# Altium PCB P1.1-worcv.PcbDoc (part 1 of 2)
Units mm, origin at the board's own origin, x right, y up, seen from the top; angles counter-clockwise.
Board outline 81 x 100 mm, 2 copper layers (Top Layer, Bottom Layer); 231 components, 118 nets, 665 pads, 762 vias.
Unrouted connection lines stored in the file: 9.
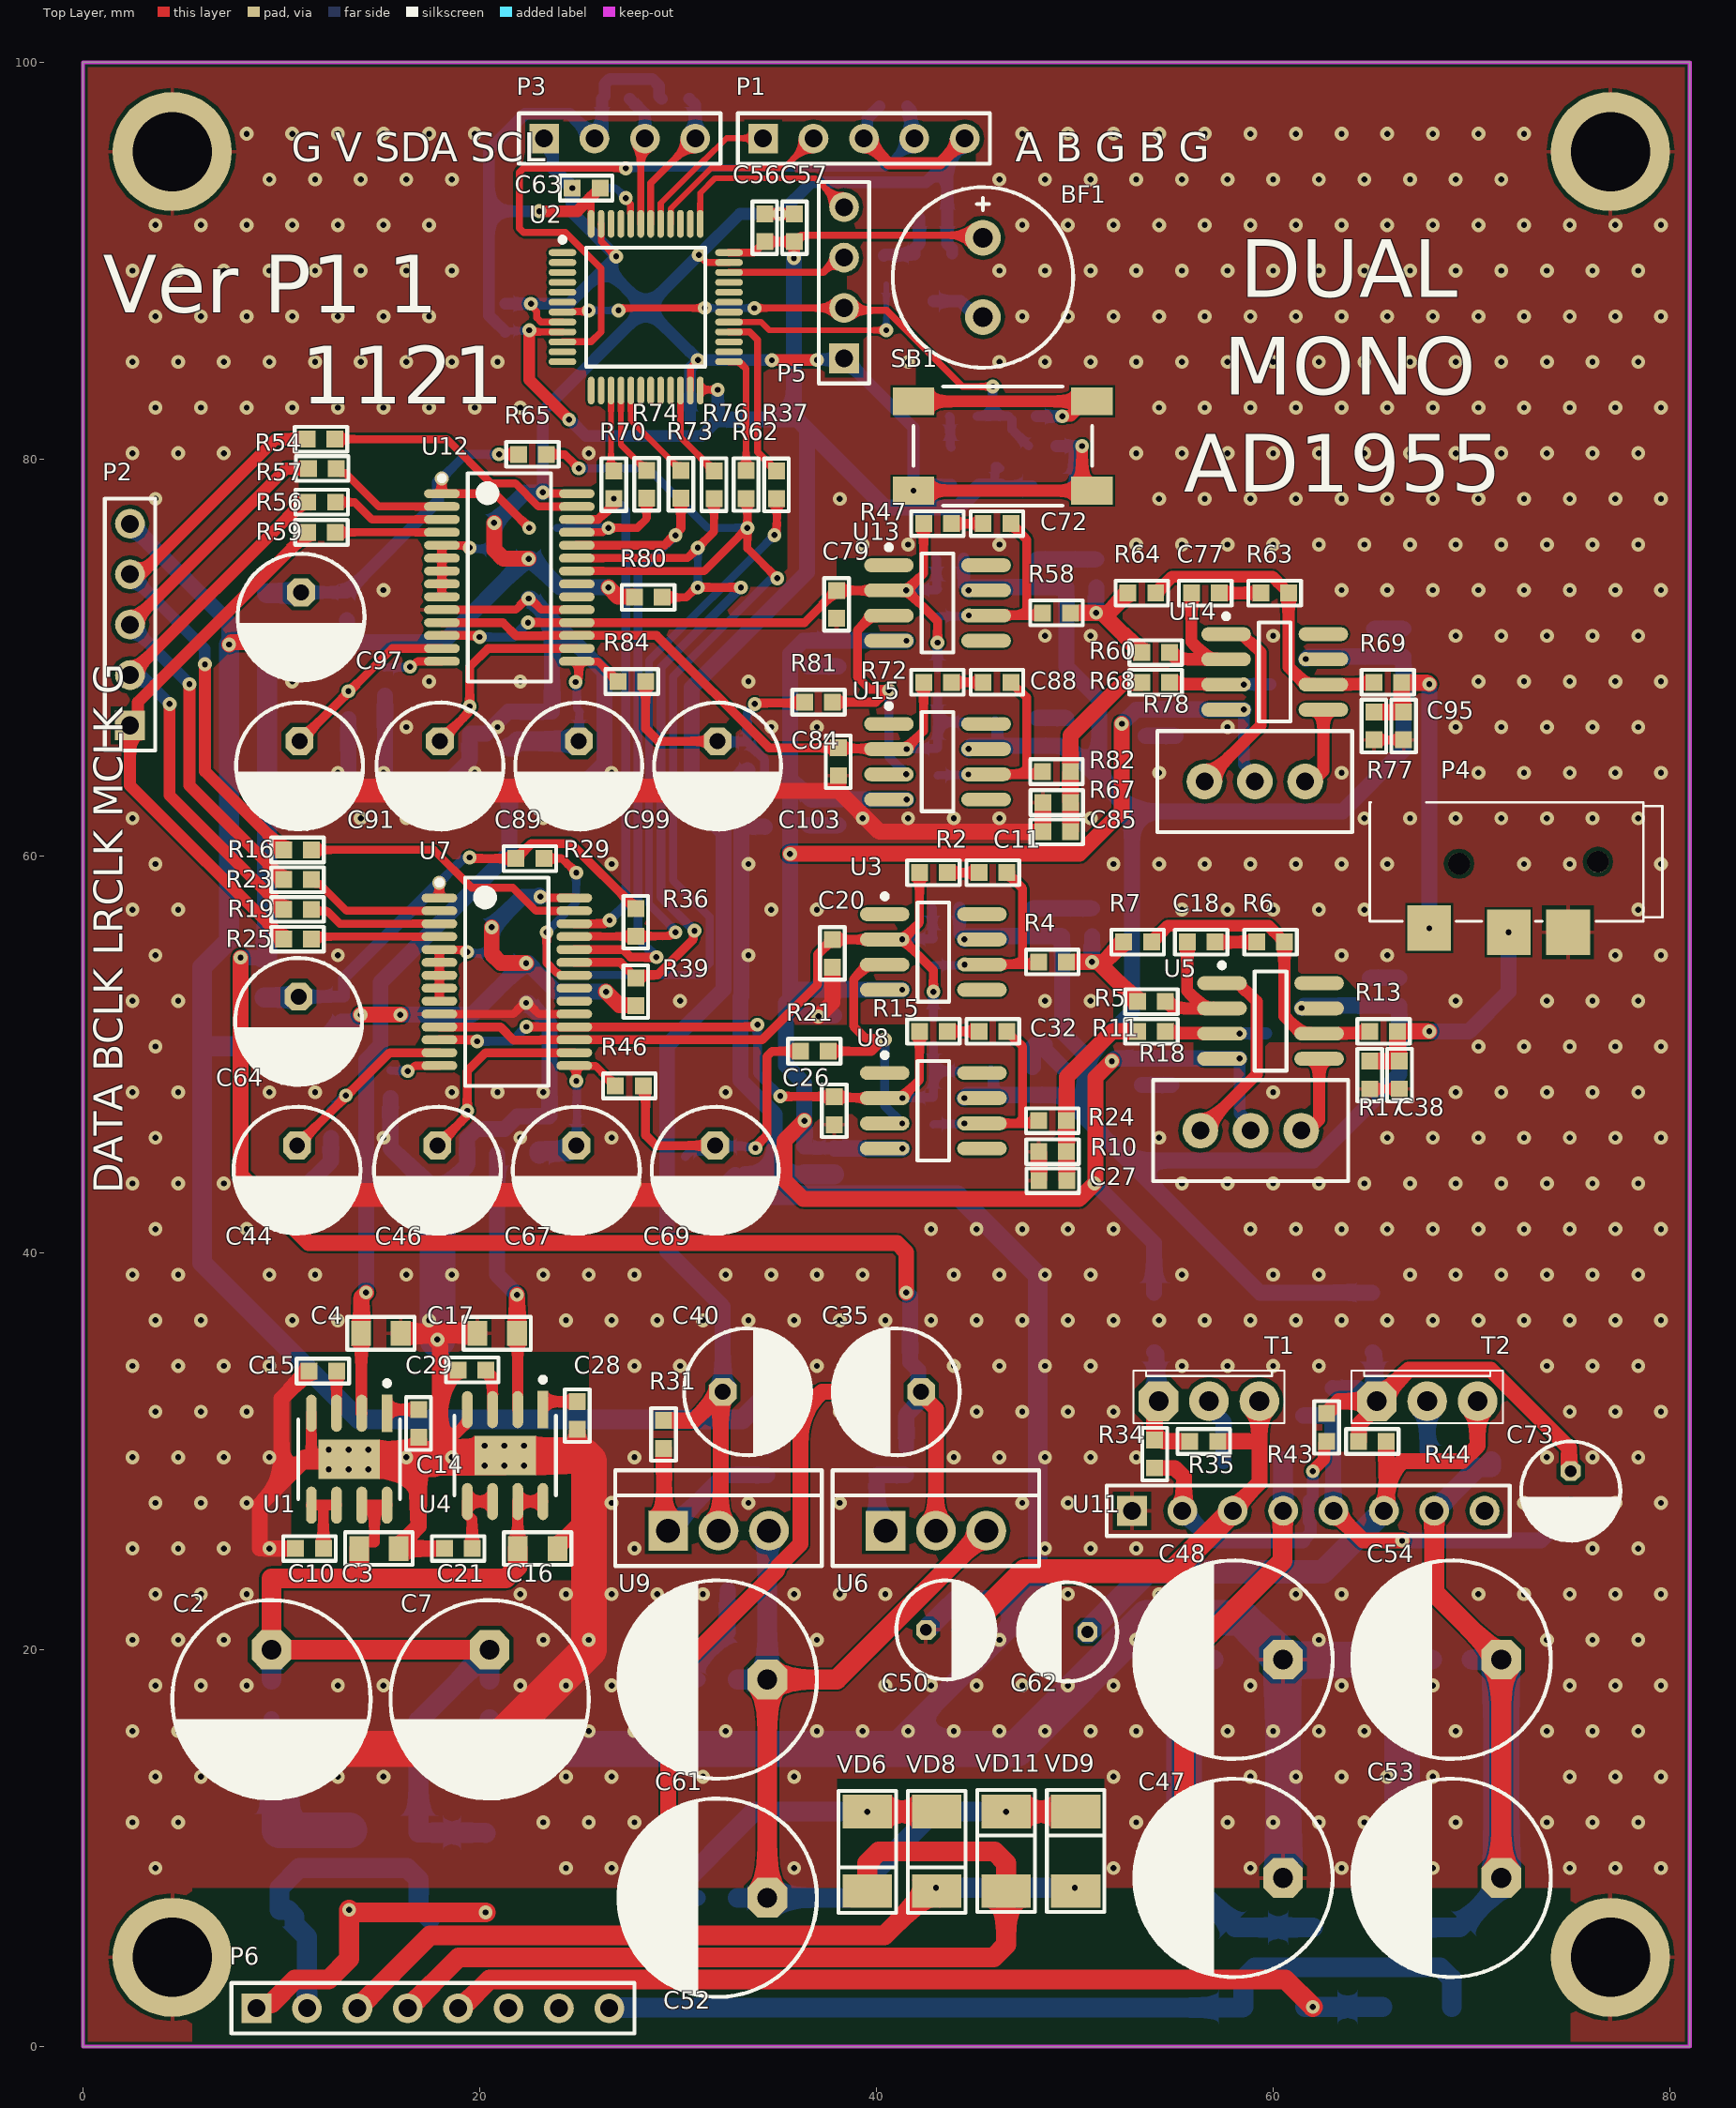
[diagram p0: Top Layer view]
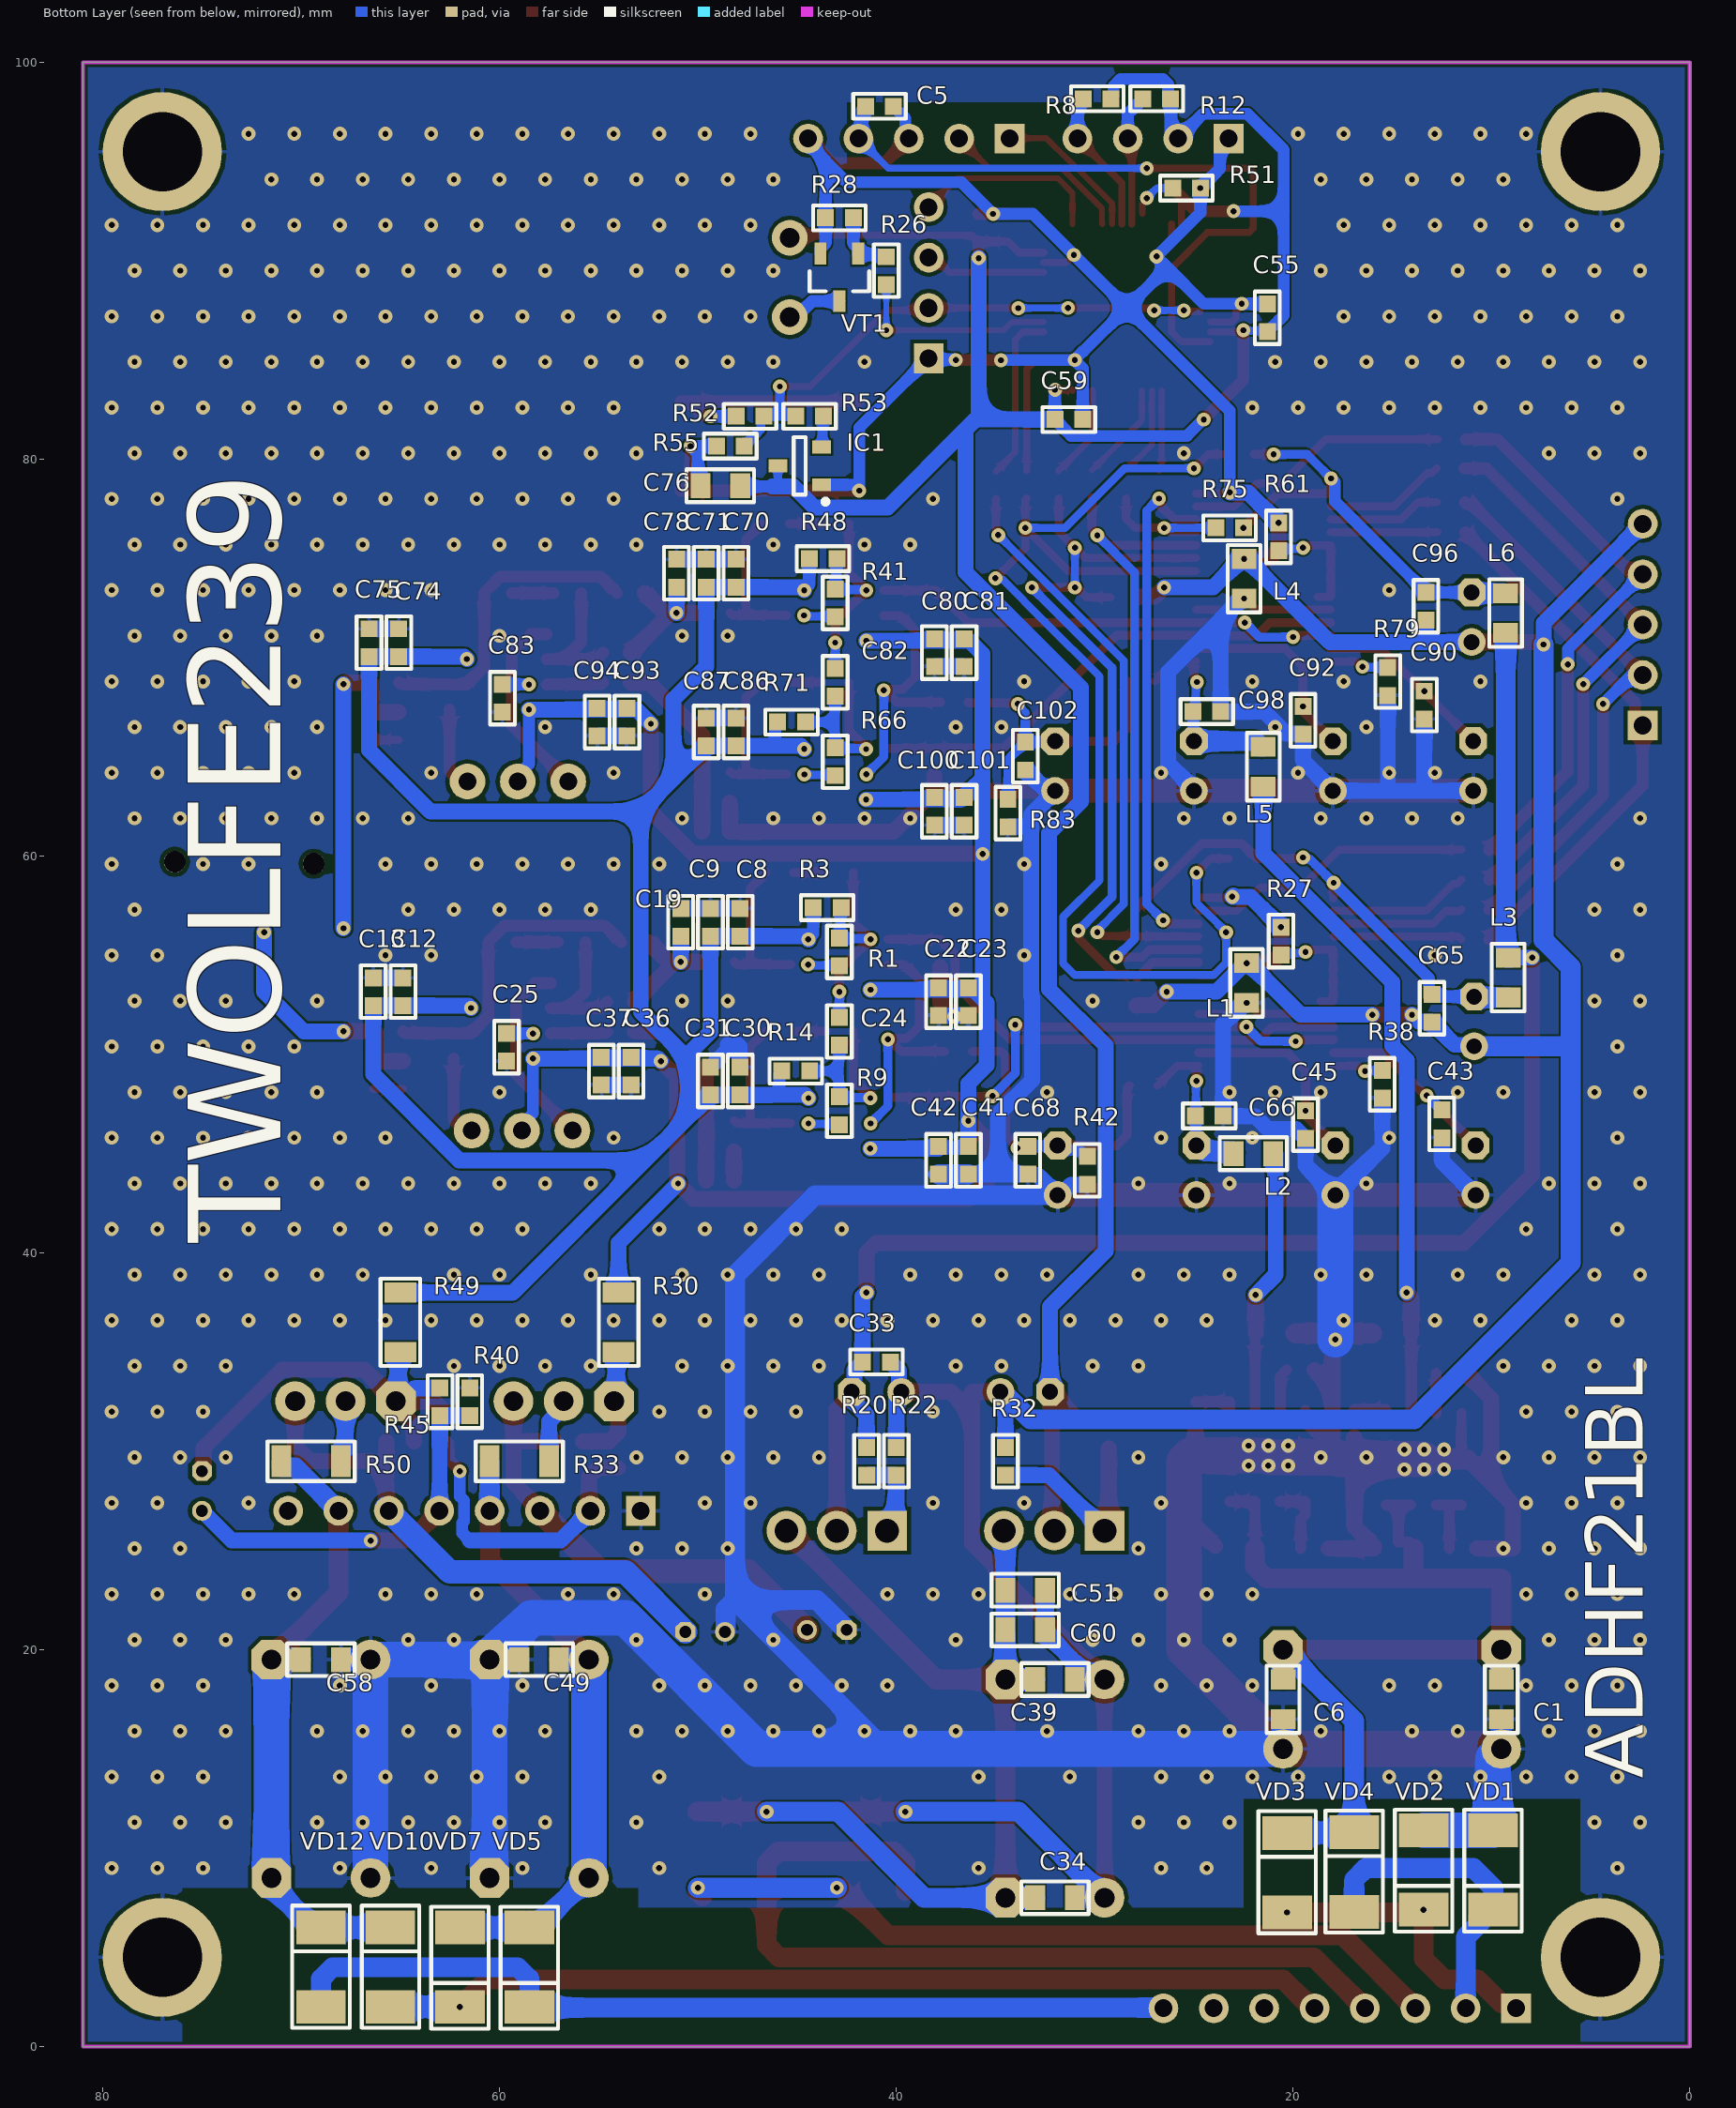
[diagram p1: Bottom Layer view, seen from below]
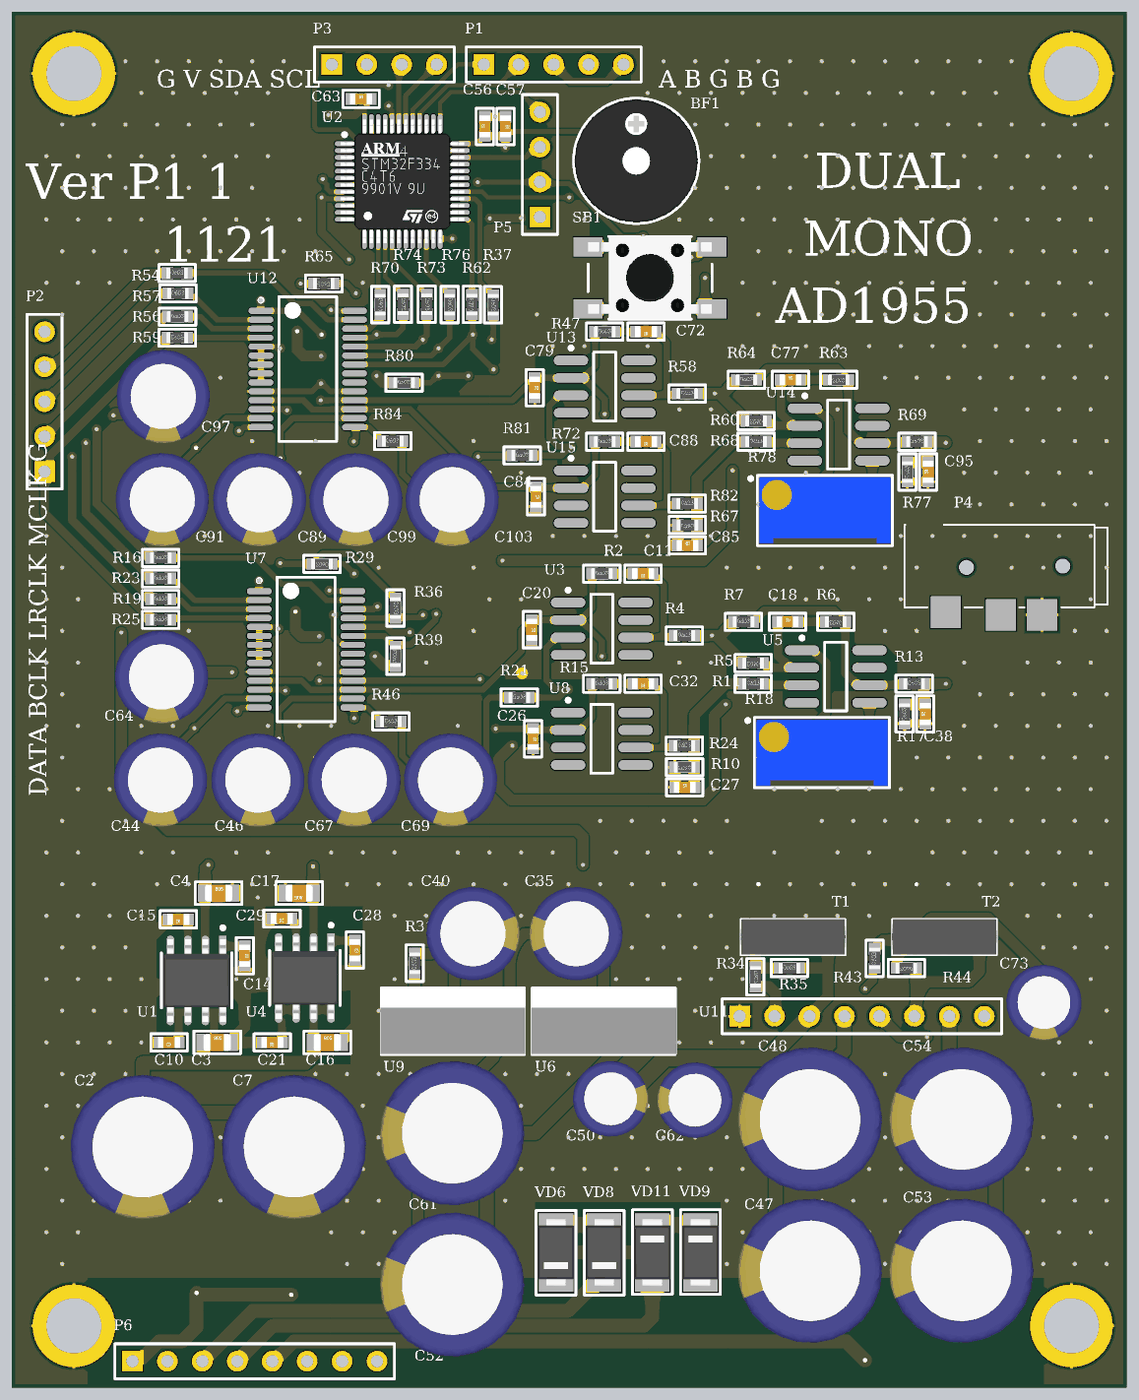
[diagram p3: 3D render of the assembled board from above, using the file's embedded part models]
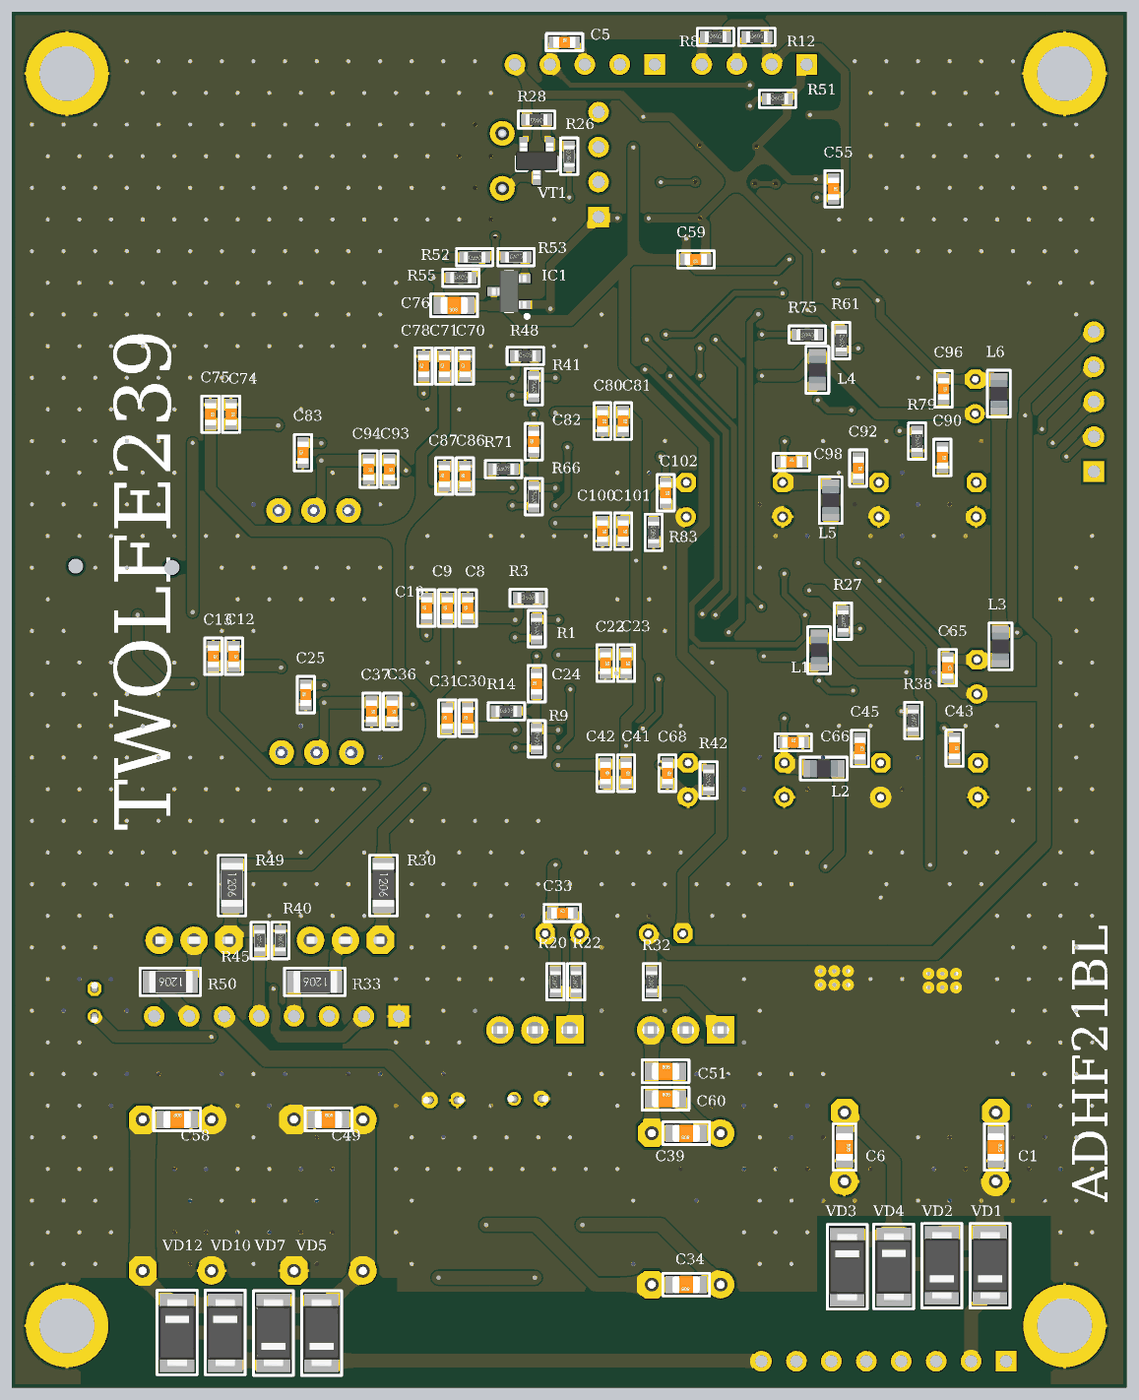
[diagram p4: 3D render of the assembled board from below, using the file's embedded part models]

## Layer stack, top to bottom
Top Solder: solder mask 0.0102, Solder Resist, Dk 3.5
Top Layer: signal copper 0.035
Dielectric 1: dielectric 0.32, FR-4, Dk 4.8
Bottom Layer: signal copper 0.035
Bottom Solder: solder mask 0.0102, Solder Resist, Dk 3.5

## Board outline
0,0 0,100 81,100 81,69.2 81,0

## Design rules (kind name [scope] priority, off if disabled: settings)
BoardOutlineClearance [All] p1: gap=0.25 ignorepadtopadclearanceinfootprint=FALSE
Clearance Clearance_MultiLayerPad [OnLayer('Multi-Layer') and IsPad] p1: gap=0.2 ignorepadtopadclearanceinfootprint=FALSE except(0: Arc-Hole Track-Hole SMDPad-Hole THPad-Hole Via-Hole Fill-Hole Poly-Hole Region-Hole Text-Hole)
Clearance Clearance_Polygon [InPolygon] p2: gap=0.1 ignorepadtopadclearanceinfootprint=FALSE except(0: Arc-Hole Track-Hole SMDPad-Hole THPad-Hole Via-Hole Fill-Hole Poly-Hole Region-Hole Text-Hole)
Clearance [All] p3: gap=0.1 ignorepadtopadclearanceinfootprint=FALSE except(0: Arc-Hole Track-Hole SMDPad-Hole THPad-Hole Via-Hole Fill-Hole Poly-Hole Region-Hole Text-Hole)
ComponentClearance [All] p1: gap=0.2 collisioncheckmode=3 verticalgap=0.2 showdistances=FALSE
DiffPairsRouting [All] p1: maxlimit=0.5 minlimit=0.1 mostfreqgap=0.15 toplayer_minwidth=0.1 toplayer_maxwidth=0.5 toplayer_prefwidth=0.15 bottomlayer_minwidth=0.1 bottomlayer_maxwidth=0.5 bottomlayer_prefwidth=0.15 maxuncoupledlength=12.7
Height [All] p1: minheight=0 maxheight=50 prefheight=12.7
HoleSize [All] p1: absolutevalues=TRUE maxlimit=10 minlimit=0.3 maxpercent=80.000 minpercent=20.000
HoleToHoleClearance [All] p1: gap=0.3 allowstackedmicrovias=TRUE
MinimumSolderMaskSliver [All] p1: minsoldermaskwidth=0.05
PlaneClearance [All] p1: clearance=0.5
PlaneConnect [All] p1: planeconnectstyle=Relief reliefexpansion=0.5 reliefentries=4 reliefconductorwidth=0.2 reliefairgap=0.2
PolygonConnect PolygonConnect_PadGND [InNet('GND') and IsPad] p1: connectstyle=Relief reliefconductorwidth=0.2 reliefentries=4 polygonreliefangle="90 Angle" airgapwidth=0.2
PolygonConnect PolygonConnect_Via [IsVia] p2: connectstyle=Direct reliefconductorwidth=0.254 reliefentries=4 polygonreliefangle="90 Angle" airgapwidth=0.254
PolygonConnect [All] p3: connectstyle=Relief reliefconductorwidth=0.2 reliefentries=4 polygonreliefangle="90 Angle" airgapwidth=0.2
RoutingVias [All] p1: holewidth=0.2 width=0.4 viastyle="Through Hole" minholewidth=0.2 minwidth=0.4 maxholewidth=0.5 maxwidth=1.2
SilkToSolderMaskClearance [IsPad] p1: minsilkscreentomaskgap=0.05 clearancetoexposedcopper=TRUE
SolderMaskExpansion [All] p1: expansion=0.075 istentingtop=FALSE
Width [All] p1: maxlimit=10 minlimit=0.1 preferedwidth=0.1
21 further rules are at their usual default settings.

## Classes and differential pairs
component class P1.1-worcv: BF1 C1 C2 C3 C4 C5 C6 C7 C8 C9 C10 C11 C12 C13 C14 C15 C16 C17 C18 C19 C20 C21 C22 C23 C24 C25 C26 C27 C28 C29 C30 C31 C32 C33 C34 C35 C36 C37 C38 C39 C40 C41 C42 C43 C44 C45 C46 C47 C48 C49 C50 C51 C52 C53 C54 C55 C56 C57 C58 C59 C60 C61 C62 C63 C64 C65 C66 C67 C68 C69 C70 C71 C72 C73 C74 C75 C76 C77 C78 C79 C80 C81 C82 C83 C84 C85 C86 C87 C88 C89 C90 C91 C92 C93 C94 C95 C96 C97 C98 C99 C100 C101 IC1 L1 L2 L3 L4 L5 L6 P1 P1.1-worcv P2 P3 P4 P5 P6 R1 R2 R3 R4 R5 R6 R7 R8 R9 R10 R11 R12 R13 R14 R15 R16 R17 R18 R19 R20 R21 R22 R23 R24 R25 R26 R27 R28 R29 R31 R33 R35 R37 R38 R39 R41 R42 R43 R44 R45 R46 R47 R50 R51 R52 R53 R54 R55 R56 R57 R58 R59 R62 R63 R66 R67 R68 R69 R71 R74 R75 R77 R78 R81 R82 R84 SB1 T1 T2 U1 U2 U3 U4 U5 U6 U7 U8 U9 U11 U12 U13 U14 U15 VD1 VD2 VD3 VD4 VD5 VD6 VD7 VD8 VD9 VD10 VD11 VD12 VT1

## Components (designator, comment, footprint, x,y, rotation, side; value= is the part's Value field where it differs from the comment)
BF1 "DIP switch, 2.73 kHz, 3VDC, 80mA, -20...+70°C" "BUZ: AT-0927-TT-6-R" 45.369,89.163 r90 top
C1 "Ceramic capacitor, 0.1u, X7R, ±10%, 16V, 0201, -55...+125°C" "CAP: 0805" 9.5,17.5 r270 bottom value=0.1u
C2 "Aluminium capacitor, 1000μF, 35V, ±20%, 54mOhm, 14x10x5 mm, -55...+105°C" "CAP: D10C5H20" 9.5,17.5 r270 top value=1000μF
C3 "Ceramic capacitor, 10μF, X7R, ±10%, 16V, 0201, -55...+125°C" "CAP: 0805" 14.918,25.102 r0 top value=10μF
C4 "Ceramic capacitor, 10μF, X7R, ±10%, 16V, 0201, -55...+125°C" "CAP: 0805" 15.018,35.945 r0 top value=10μF
C5 "Ceramic capacitor, 0.1u, X7R, ±10%, 16V, 0201, -55...+125°C" "CAP: 0603" 40.847,97.785 r180 bottom value=0.1u
C6 "Ceramic capacitor, 0.1u, X7R, ±10%, 16V, 0201, -55...+125°C" "CAP: 0805" 20.5,17.5 r270 bottom value=0.1u
C7 "Aluminium capacitor, 1000μF, 35V, ±20%, 54mOhm, 14x10x5 mm, -55...+105°C" "CAP: D10C5H20" 20.5,17.5 r270 top value=1000μF
C8 "Ceramic capacitor, 4.7u, X7R, ±10%, 16V, 0201, -55...+125°C" "CAP: 0603" 47.869,56.663 r90 bottom value=4.7u
C9 "Ceramic capacitor, 0.1u, X7R, ±10%, 16V, 0201, -55...+125°C" "CAP: 0603" 49.369,56.663 r90 bottom value=0.1u
C10 "Ceramic capacitor, 1u, X7R, ±10%, 16V, 0201, -55...+125°C" "CAP: 0603" 11.418,25.102 r180 top value=1u
C11 "Ceramic capacitor, 100p, X7R, ±10%, 16V, 0201, -55...+125°C" "CAP: 0603" 45.869,59.163 r180 top value=100p
C12 "Ceramic capacitor, 4.7u, X7R, ±10%, 16V, 0201, -55...+125°C" "CAP: 0603" 64.869,53.163 r270 bottom value=4.7u
C13 "Ceramic capacitor, 0.1u, X7R, ±10%, 16V, 0201, -55...+125°C" "CAP: 0603" 66.369,53.163 r270 bottom value=0.1u
C14 "Ceramic capacitor, 10u, X7R, ±10%, 16V, 0201, -55...+125°C" "CAP: 0603" 16.918,31.402 r270 top value=10u
C15 "Ceramic capacitor, 1u, X7R, ±10%, 16V, 0201, -55...+125°C" "CAP: 0603" 12.089,34.046 r180 top value=1u
C16 "Ceramic capacitor, 10μF, X7R, ±10%, 16V, 0201, -55...+125°C" "CAP: 0805" 22.918,25.102 r0 top value=10μF
C17 "Ceramic capacitor, 10μF, X7R, ±10%, 16V, 0201, -55...+125°C" "CAP: 0805" 20.88,35.947 r180 top value=10μF
C18 "Ceramic capacitor, 2.7n, X7R, ±10%, 16V, 0201, -55...+125°C" "CAP: 0603" 56.369,55.663 r0 top value=2.7n
C19 "Ceramic capacitor, 5.6n, X7R, ±10%, 16V, 0201, -55...+125°C" "CAP: 0603" 50.869,56.663 r90 bottom value=5.6n
C20 "Ceramic capacitor, open, X7R, ±10%, 16V, 0201, -55...+125°C" "CAP: 0603" 37.781,55.091 r270 top value=open
C21 "Ceramic capacitor, 1u, X7R, ±10%, 16V, 0201, -55...+125°C" "CAP: 0603" 18.918,25.102 r180 top value=1u
C22 "Ceramic capacitor, 0.1u, X7R, ±10%, 16V, 0201, -55...+125°C" "CAP: 0603" 37.869,52.663 r270 bottom value=0.1u
C23 "Ceramic capacitor, 4.7u, X7R, ±10%, 16V, 0201, -55...+125°C" "CAP: 0603" 36.369,52.663 r270 bottom value=4.7u
C24 "Ceramic capacitor, 100p, X7R, ±10%, 16V, 0201, -55...+125°C" "CAP: 0603" 42.869,51.163 r90 bottom value=100p
C25 "Ceramic capacitor, 2.7n, X7R, ±10%, 16V, 0201, -55...+125°C" "CAP: 0603" 59.645,50.368 r90 bottom value=2.7n
C26 "Ceramic capacitor, open, X7R, ±10%, 16V, 0201, -55...+125°C" "CAP: 0603" 37.869,47.163 r270 top value=open
C27 "Ceramic capacitor, 5.6n, X7R, ±10%, 16V, 0201, -55...+125°C" "CAP: 0603" 48.891,43.637 r0 top value=5.6n
C28 "Ceramic capacitor, 10u, X7R, ±10%, 16V, 0201, -55...+125°C" "CAP: 0603" 24.918,31.802 r270 top value=10u
C29 "Ceramic capacitor, 1u, X7R, ±10%, 16V, 0201, -55...+125°C" "CAP: 0603" 19.618,34.102 r180 top value=1u
C30 "Ceramic capacitor, 4.7u, X7R, ±10%, 16V, 0201, -55...+125°C" "CAP: 0603" 47.869,48.663 r90 bottom value=4.7u
C31 "Ceramic capacitor, 0.1u, X7R, ±10%, 16V, 0201, -55...+125°C" "CAP: 0603" 49.369,48.663 r90 bottom value=0.1u
C32 "Ceramic capacitor, 100p, X7R, ±10%, 16V, 0201, -55...+125°C" "CAP: 0603" 45.869,51.163 r180 top value=100p
C33 "Ceramic capacitor, 10u, X7R, ±10%, 16V, 0201, -55...+125°C" "CAP: 0603" 41,34.5 r180 bottom value=10u
C34 "Ceramic capacitor, 0.1u, X7R, ±10%, 16V, 0201, -55...+125°C" "CAP: 0805" 32,7.5 r0 bottom value=0.1u
C35 "Aluminium capacitor, 100μF, 25V, ±20%, 54mOhm, 14x10x5 mm, -55...+105°C" "CAP: D6.3C2.5H11" 41,33 r180 top value=100μF
C36 "Ceramic capacitor, 0.1u, X7R, ±10%, 16V, 0201, -55...+125°C" "CAP: 0603" 53.369,49.163 r270 bottom value=0.1u
C37 "Ceramic capacitor, 4.7u, X7R, ±10%, 16V, 0201, -55...+125°C" "CAP: 0603" 54.869,49.163 r270 bottom value=4.7u
C38 "Ceramic capacitor, 3.9n, X7R, ±10%, 16V, 0201, -55...+125°C" "CAP: 0603" 66.369,48.963 r90 top value=3.9n
C39 "Ceramic capacitor, 0.1u, X7R, ±10%, 16V, 0201, -55...+125°C" "CAP: 0805" 32,18.5 r0 bottom value=0.1u
C40 "Aluminium capacitor, 100μF, 25V, ±20%, 54mOhm, 14x10x5 mm, -55...+105°C" "CAP: D6.3C2.5H11" 33.5,33 r0 top value=100μF
C41 "Ceramic capacitor, 0.1u, X7R, ±10%, 16V, 0201, -55...+125°C" "CAP: 0603" 36.369,44.663 r270 bottom value=0.1u
C42 "Ceramic capacitor, 4.7u, X7R, ±10%, 16V, 0201, -55...+125°C" "CAP: 0603" 37.869,44.663 r270 bottom value=4.7u
C43 "Ceramic capacitor, 0.1u, X7R, ±10%, 16V, 0201, -55...+125°C" "CAP: 0603" 12.5,46.5 r270 bottom value=0.1u
C44 "Aluminium capacitor, 100μF, 25V, ±20%, 54mOhm, 14x10x5 mm, -55...+105°C" "CAP: D6.3C2.5H11" 10.793,44.166 r270 top value=100μF
C45 "Ceramic capacitor, 0.1u, X7R, ±10%, 16V, 0201, -55...+125°C" "CAP: 0603" 19.369,46.463 r270 bottom value=0.1u
C46 "Aluminium capacitor, 100μF, 25V, ±20%, 54mOhm, 14x10x5 mm, -55...+105°C" "CAP: D6.3C2.5H11" 17.869,44.163 r270 top value=100μF
C47 "Aluminium capacitor, 1000μF, 35V, ±20%, 54mOhm, 14x10x5 mm, -55...+105°C" "CAP: D10C5H20" 58,8.5 r180 top value=1000μF
C48 "Aluminium capacitor, 1000μF, 35V, ±20%, 54mOhm, 14x10x5 mm, -55...+105°C" "CAP: D10C5H20" 58,19.5 r180 top value=1000μF
C49 "Ceramic capacitor, 0.1u, X7R, ±10%, 16V, 0201, -55...+125°C" "CAP: 0805" 58,19.5 r180 bottom value=0.1u
C50 "Aluminium capacitor, 10μF, 50V, ±20%, 54mOhm, 14x10x5 mm, -55...+105°C" "CAP: D5C2H11" 43.5,21 r0 top value=10μF
C51 "Ceramic capacitor, 0.1u, X7R, ±10%, 16V, 0201, -55...+125°C" "CAP: 0805" 33.5,23 r180 bottom value=0.1u
C52 "Aluminium capacitor, 1000μF, 35V, ±20%, 54mOhm, 14x10x5 mm, -55...+105°C" "CAP: D10C5H20" 32,7.5 r180 top value=1000μF
C53 "Aluminium capacitor, 1000μF, 35V, ±20%, 54mOhm, 14x10x5 mm, -55...+105°C" "CAP: D10C5H20" 69,8.5 r180 top value=1000μF
C54 "Aluminium capacitor, 1000μF, 35V, ±20%, 54mOhm, 14x10x5 mm, -55...+105°C" "CAP: D10C5H20" 69,19.5 r180 top value=1000μF
C55 "Ceramic capacitor, 0.1u, X7R, ±10%, 16V, 0201, -55...+125°C" "CAP: 0603" 21.294,87.129 r270 bottom value=0.1u
C56 "Ceramic capacitor, 10u, X7R, ±10%, 16V, 0201, -55...+125°C" "CAP: 0603" 34.369,91.663 r90 top value=10u
C57 "Ceramic capacitor, 0.1u, X7R, ±10%, 16V, 0201, -55...+125°C" "CAP: 0603" 35.869,91.663 r270 top value=0.1u
C58 "Ceramic capacitor, 0.1u, X7R, ±10%, 16V, 0201, -55...+125°C" "CAP: 0805" 69,19.5 r180 bottom value=0.1u
C59 "Ceramic capacitor, 0.1u, X7R, ±10%, 16V, 0201, -55...+125°C" "CAP: 0603" 31.3,82 r0 bottom value=0.1u
C60 "Ceramic capacitor, 0.1u, X7R, ±10%, 16V, 0201, -55...+125°C" "CAP: 0805" 33.5,21 r180 bottom value=0.1u
C61 "Aluminium capacitor, 1000μF, 35V, ±20%, 54mOhm, 14x10x5 mm, -55...+105°C" "CAP: D10C5H20" 32,18.5 r180 top value=1000μF